# Altium PCB ControllerV2.1.PcbDoc (part 1 of 2)
Units mm, origin at the board's own origin, x right, y up, seen from the top; angles counter-clockwise.
Board outline 52.02 x 50 mm, 4 copper layers (Top, Gnd, Signal, Bottom), stack 1.626 mm thick; 96 components, 87 nets, 385 pads, 241 vias.
Unrouted connection lines stored in the file: 72.
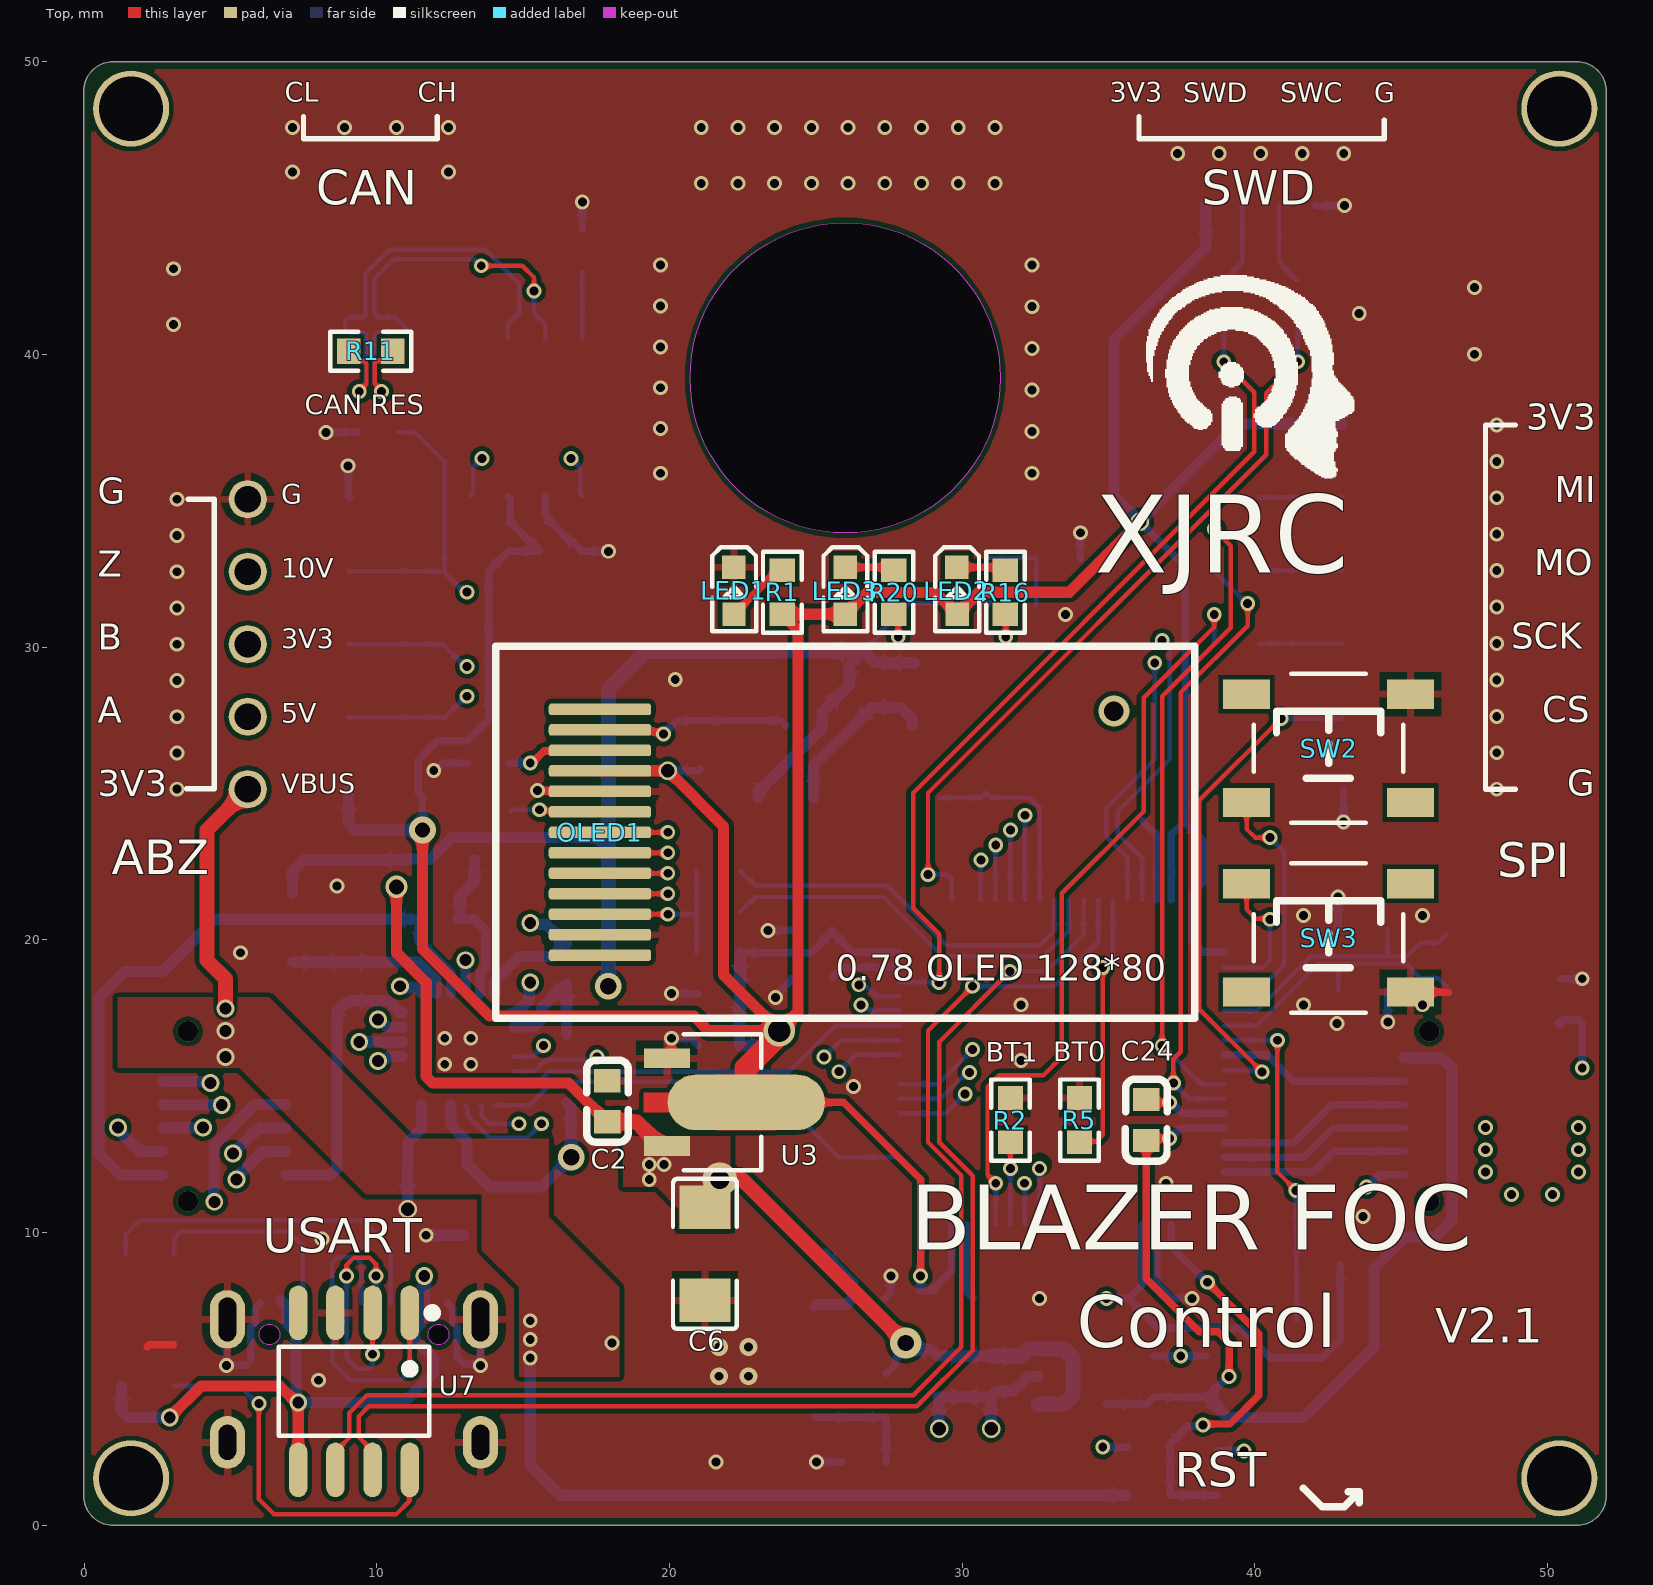
[diagram p0: Top view]
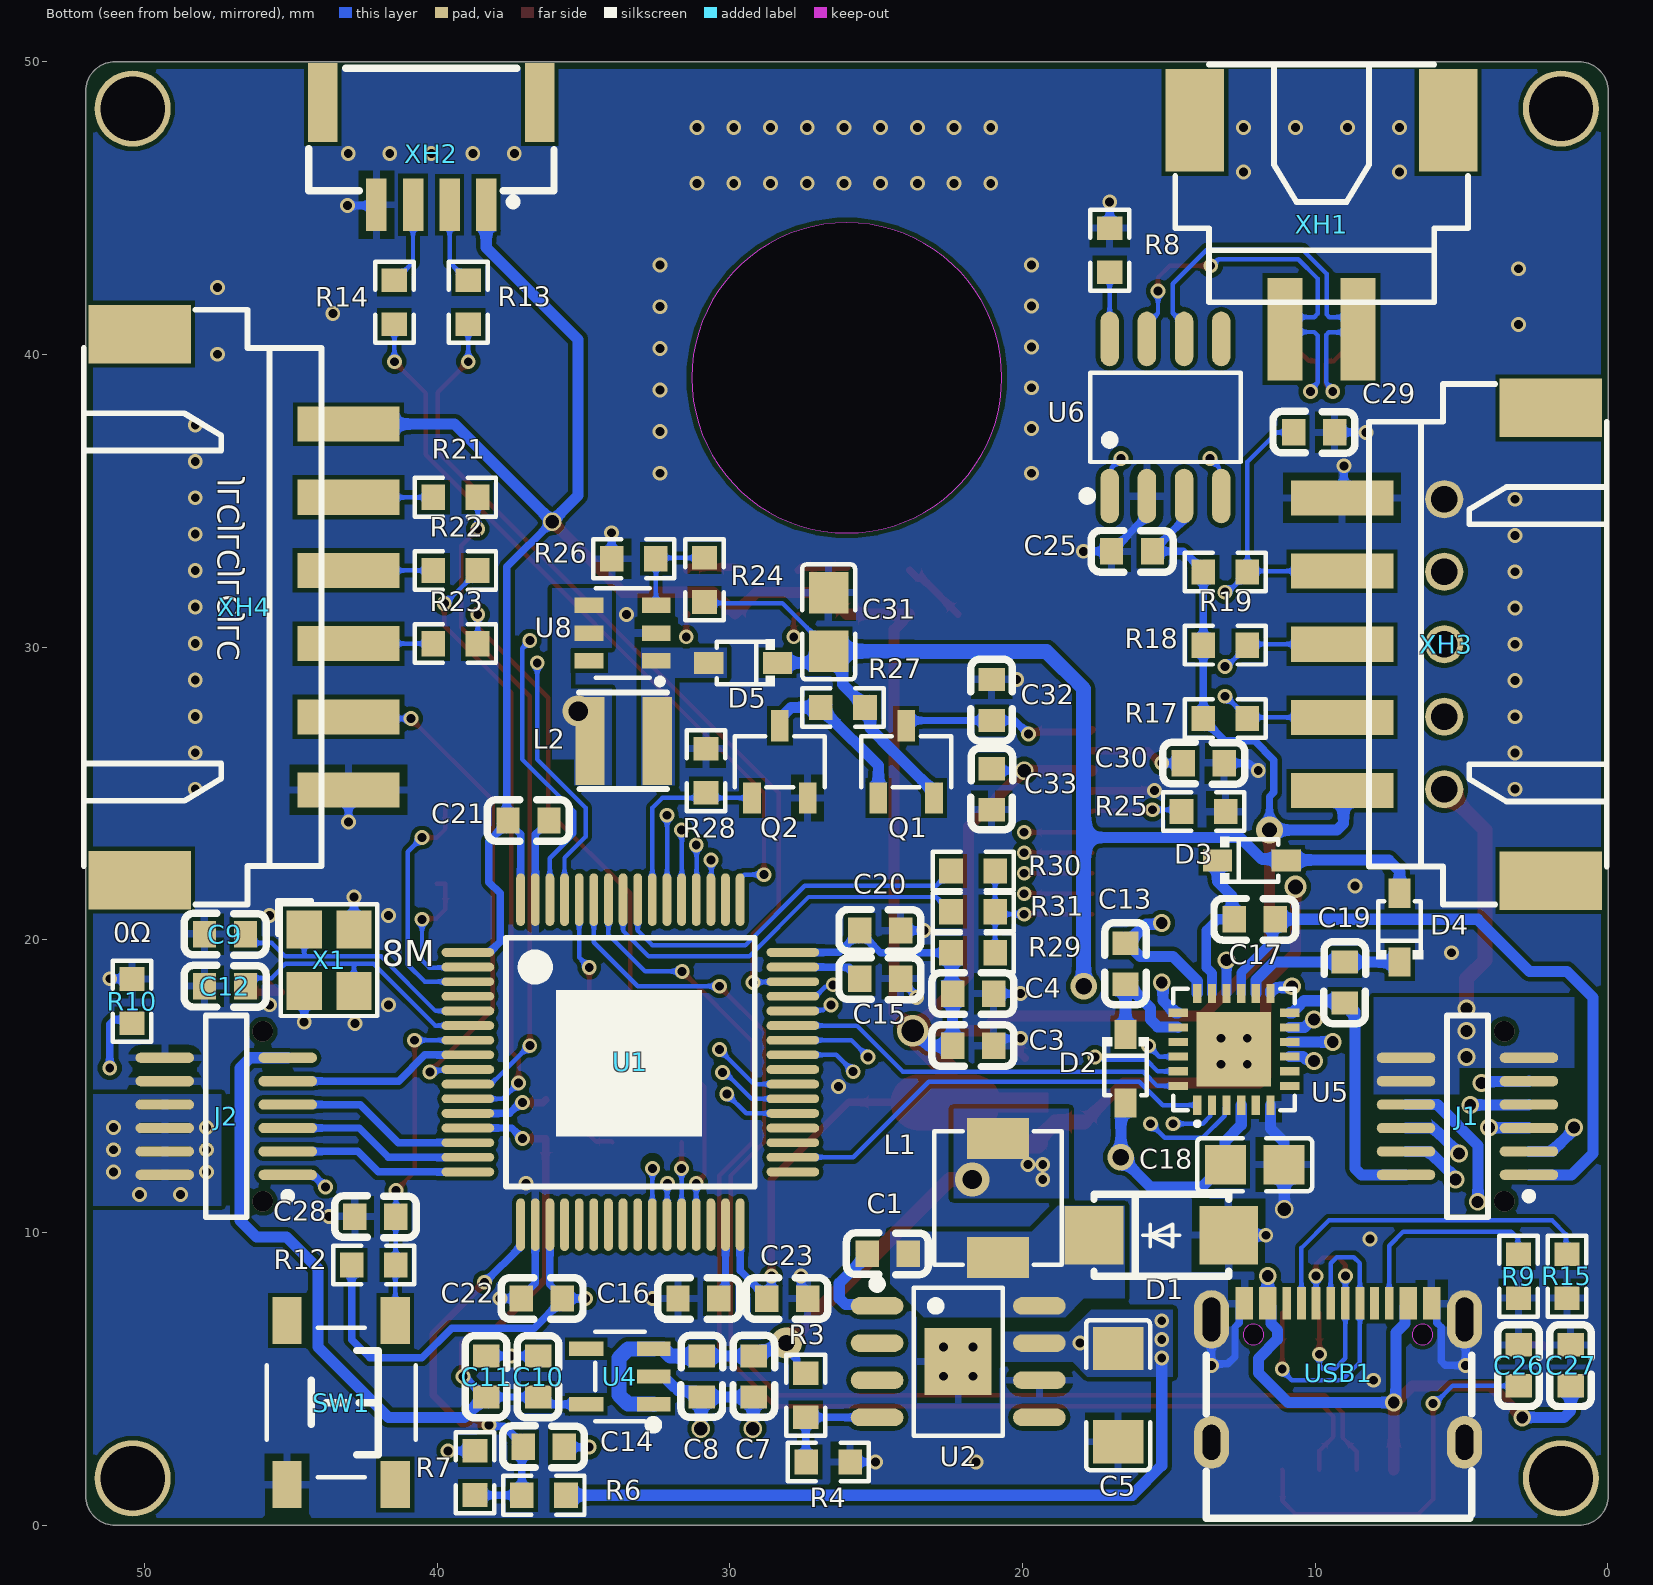
[diagram p1: Bottom view, seen from below]
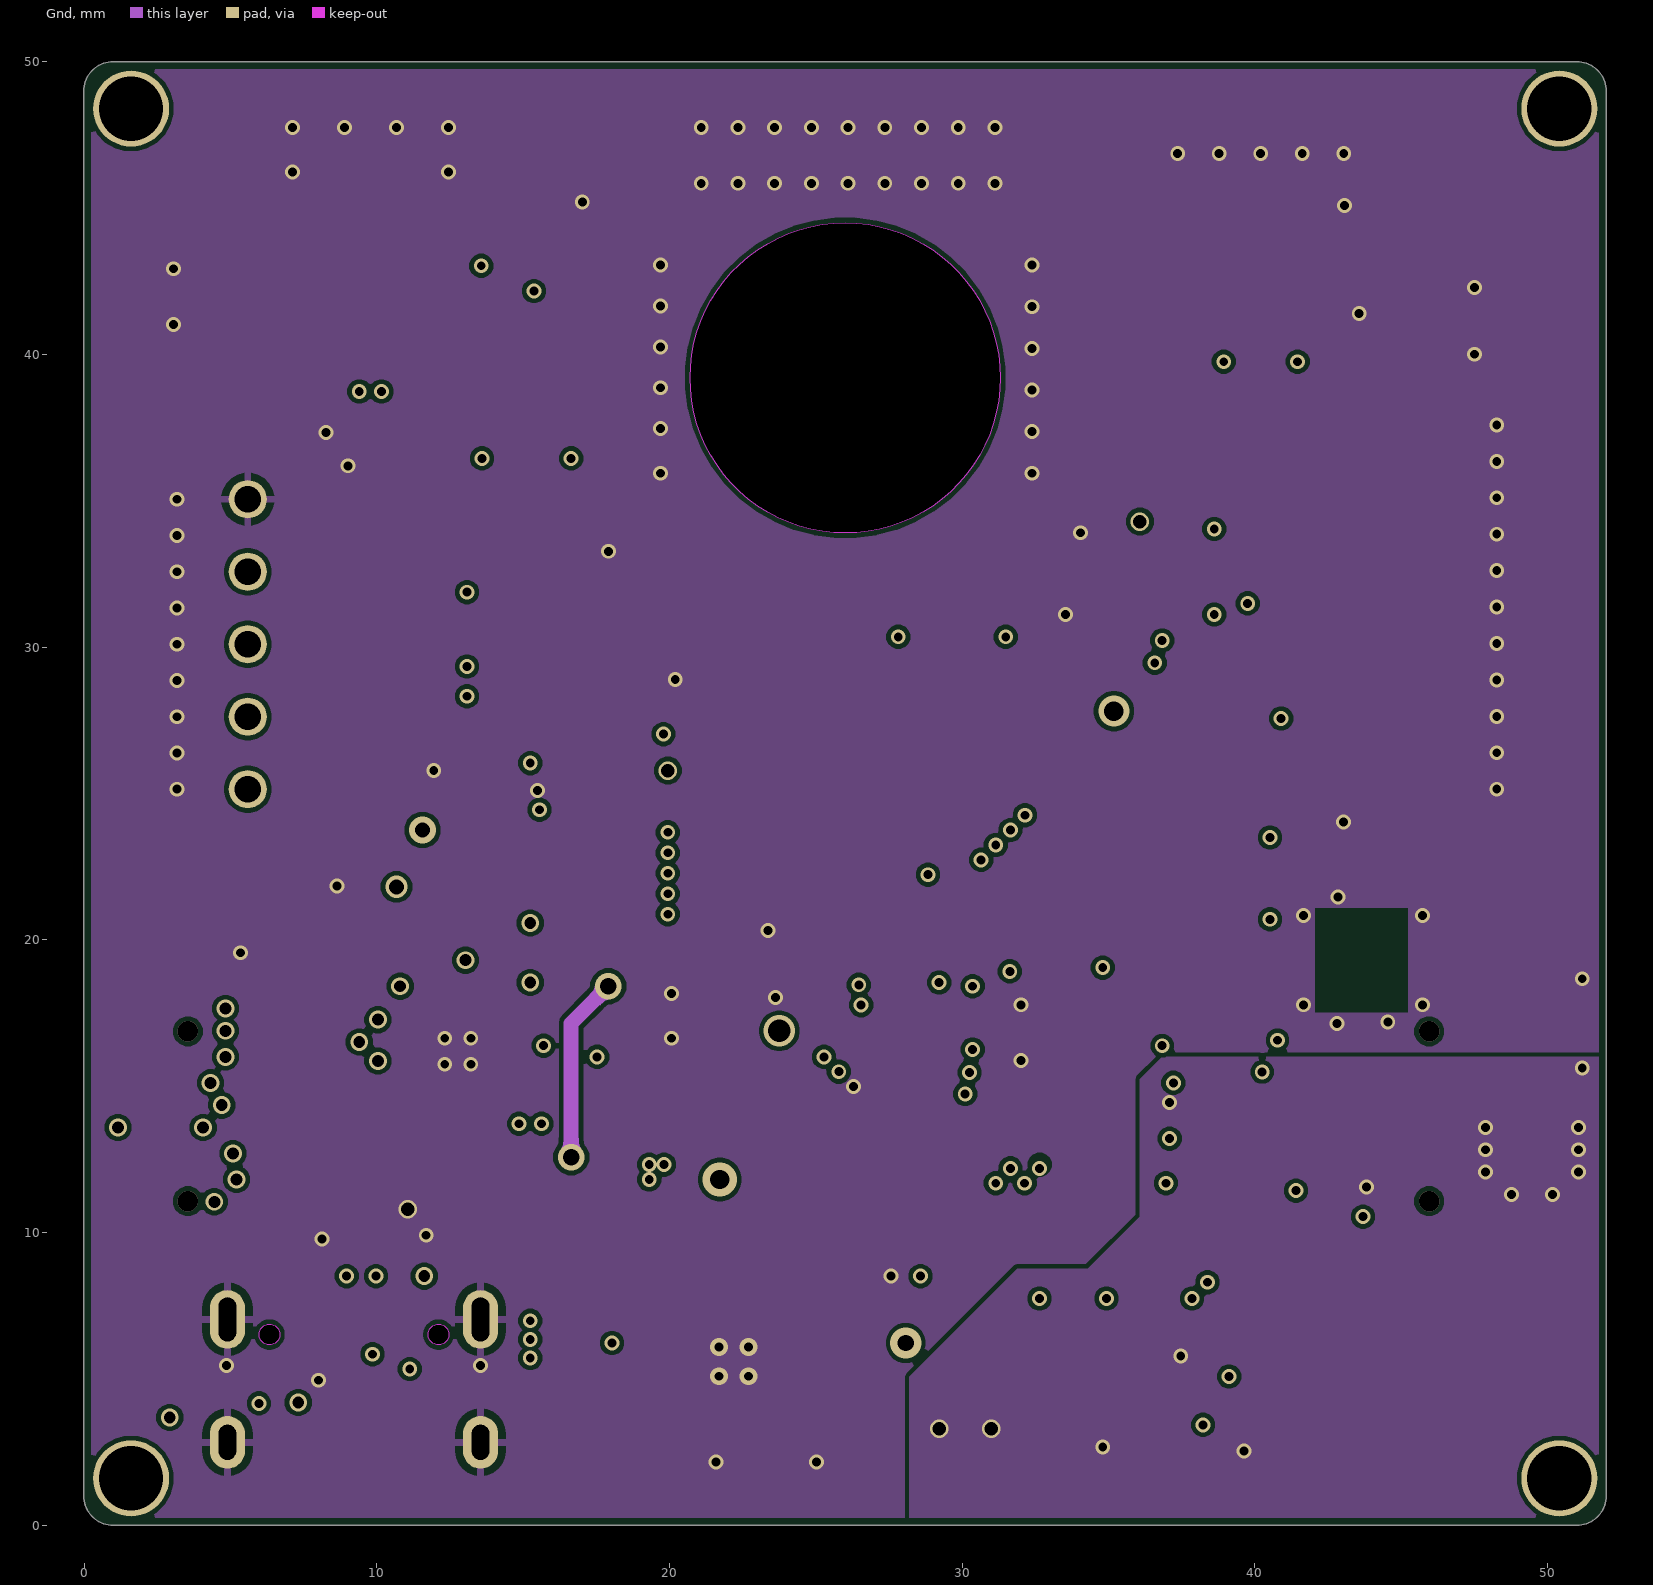
[diagram p2: Gnd]
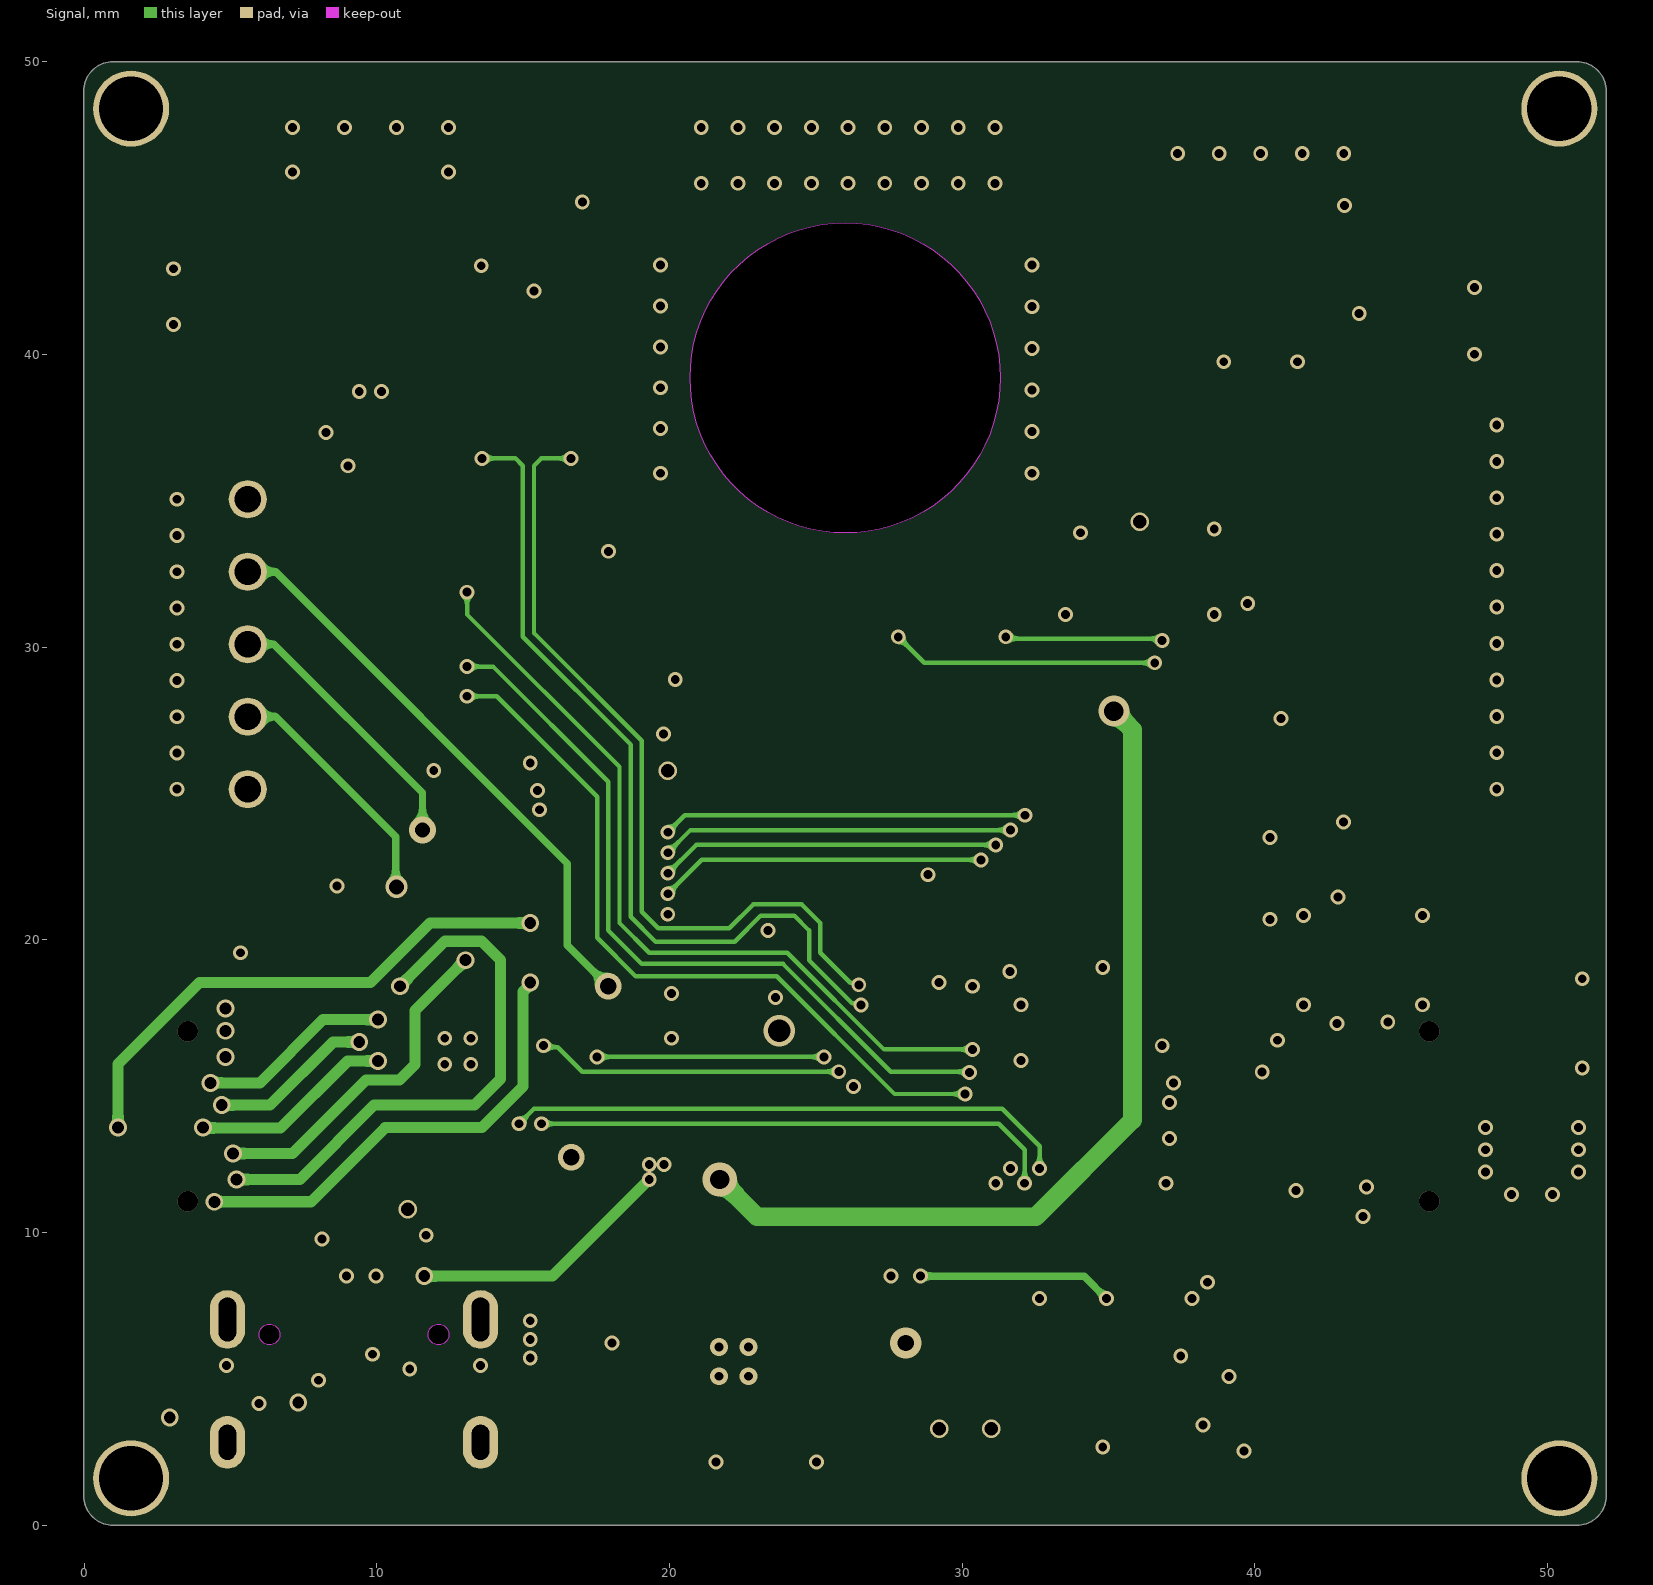
[diagram p3: Signal]
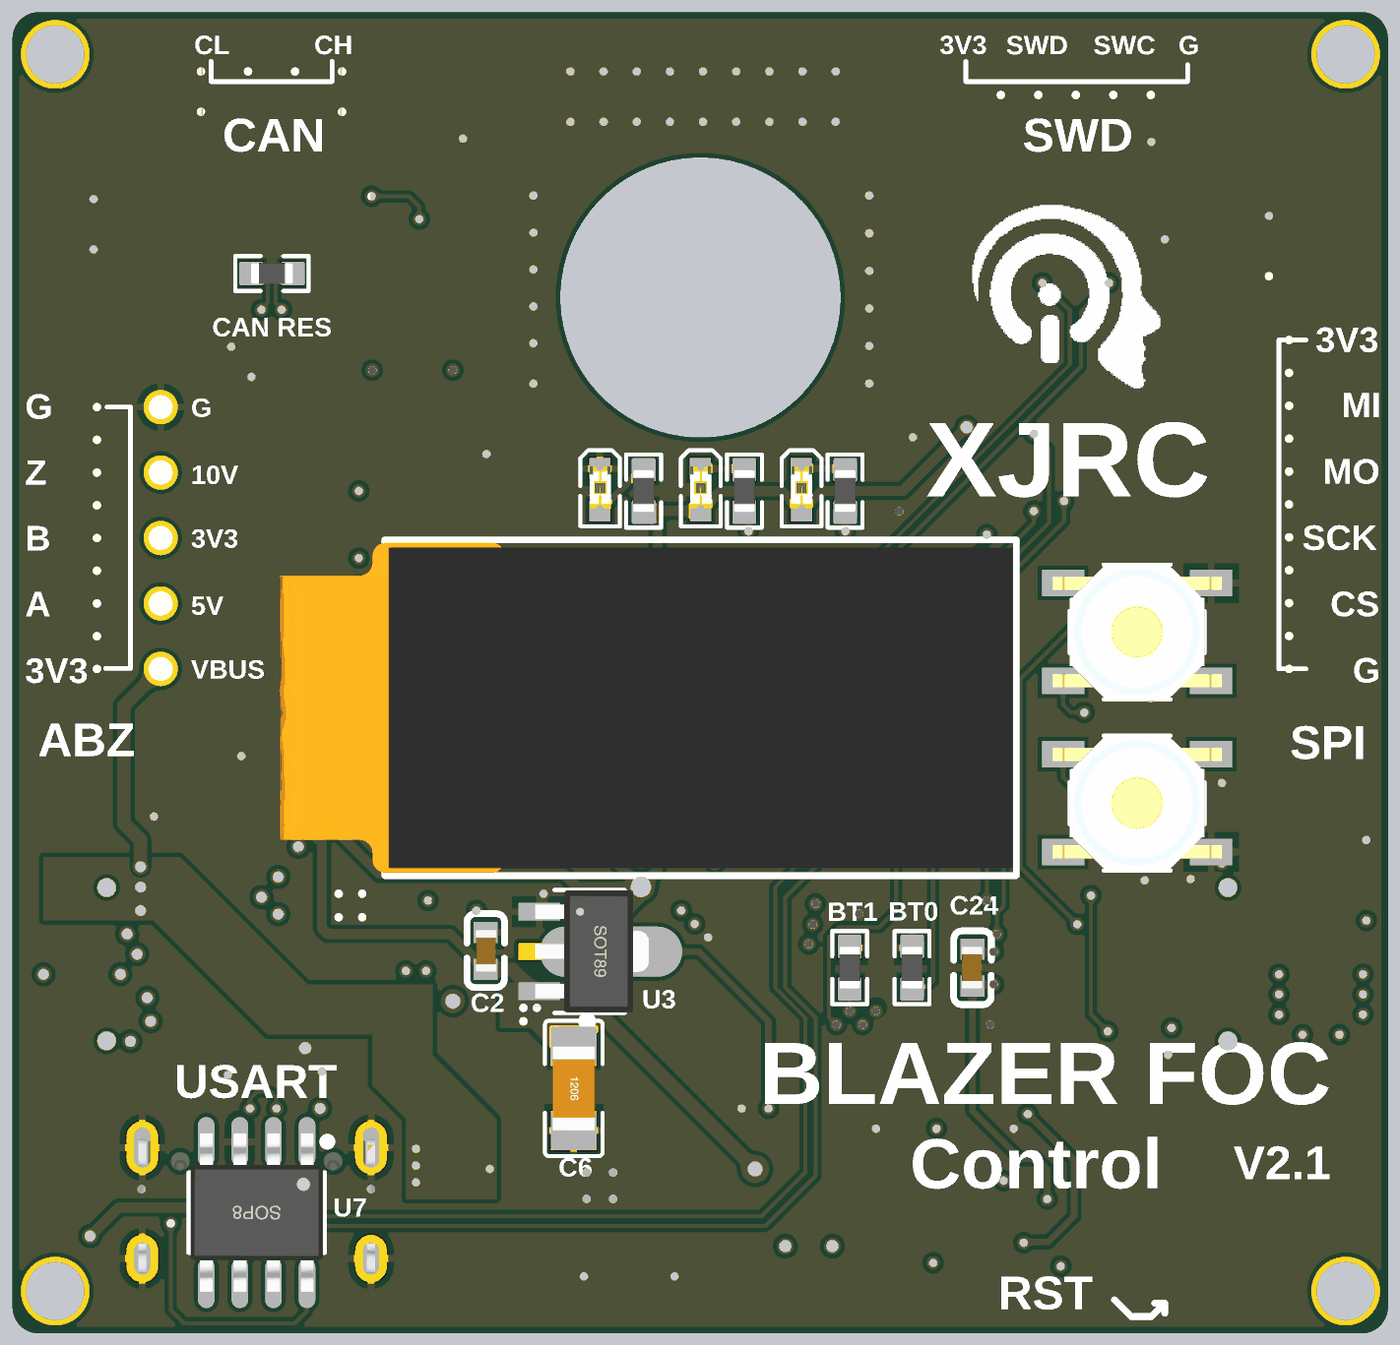
[diagram p5: 3D render of the assembled board from above, using the file's embedded part models]
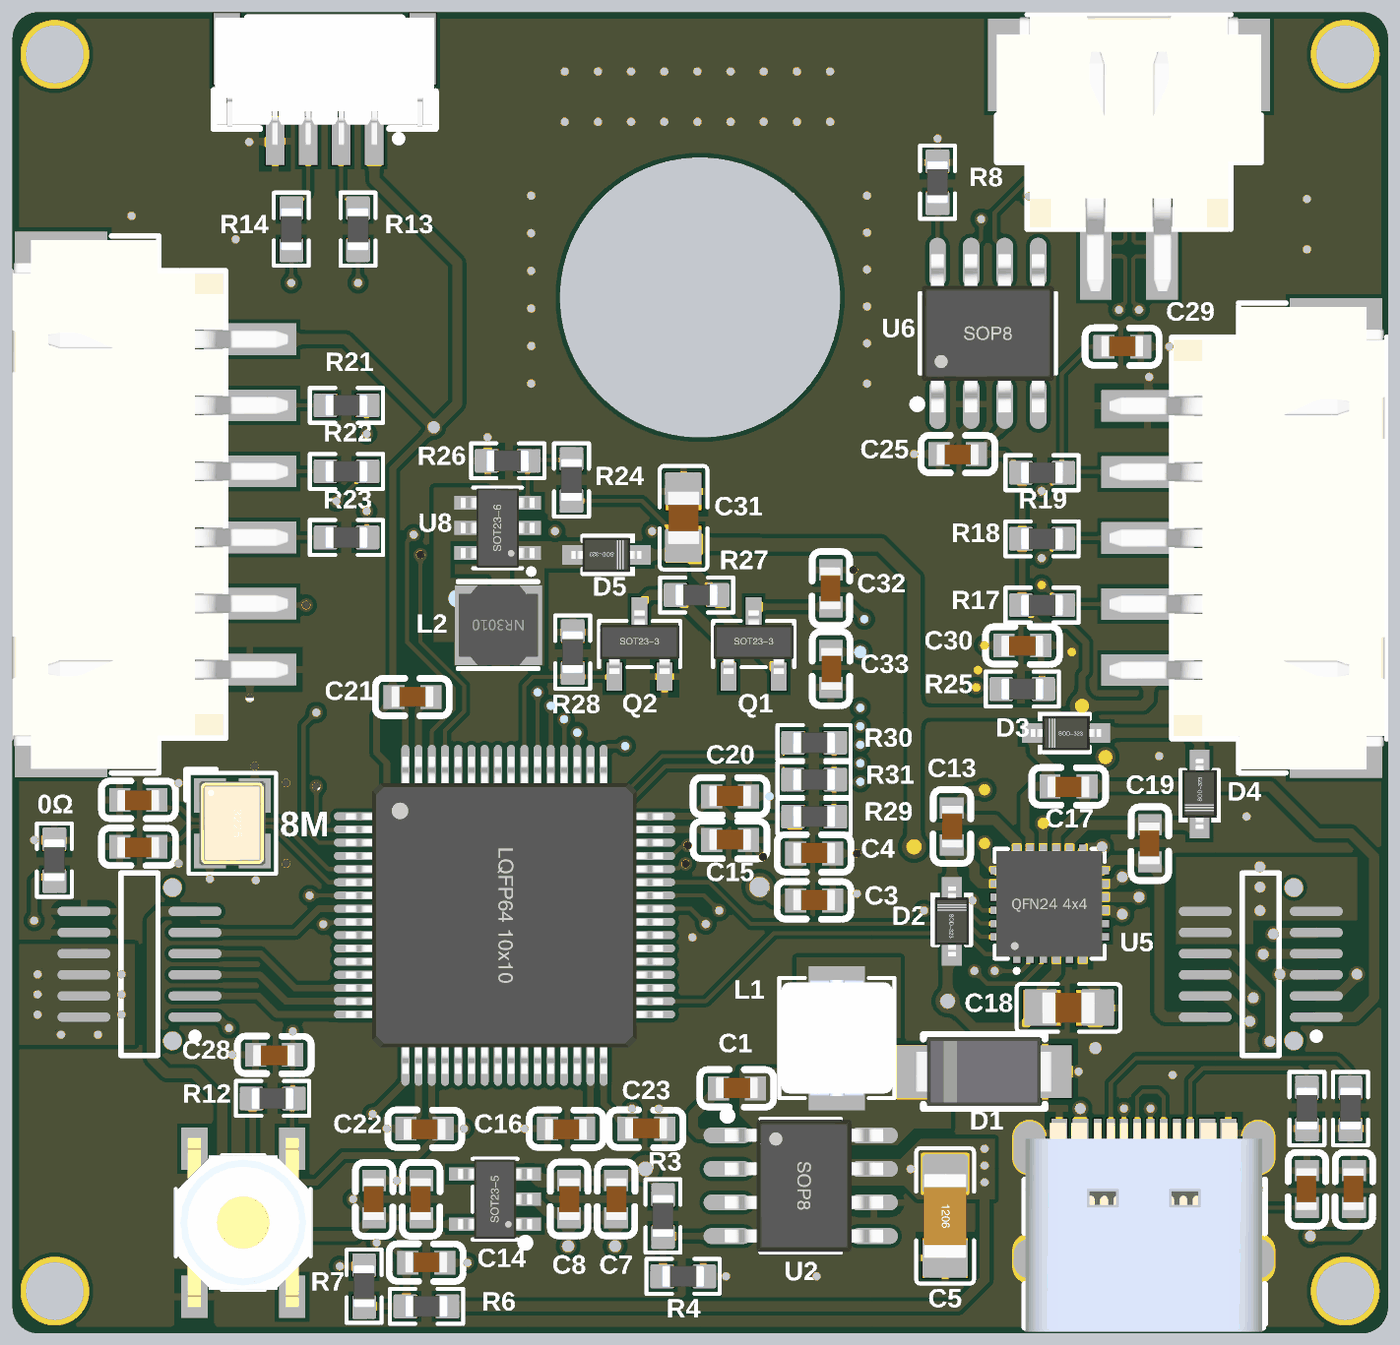
[diagram p6: 3D render of the assembled board from below, using the file's embedded part models]

## Layer stack, top to bottom
Top Solder: solder mask 0.0102, Solder Resist, Dk 3.5
Top: signal copper 0.0356
Dielectric 4: prepreg 0.0711, PP-006, Dk 4.1
Dielectric 2: prepreg 0.0711, PP-006, Dk 4.1
Gnd: signal copper 0.035
Dielectric 1: dielectric 1.2, FR-4, Dk 4.8
Signal: signal copper 0.035
Dielectric 3: prepreg 0.0711, PP-006, Dk 4.1
Dielectric 5: prepreg 0.0711, PP-006, Dk 4.1
Bottom: signal copper 0.0356
Bottom Solder: solder mask 0.0102, Solder Resist, Dk 3.5

## Board outline
-0.016,1 -0.016,49 cw(c0.984,49) 0.984,50 51,50 cw(c51,49) 52,49 52,1 cw(c51,1) 51,0 0.984,0 cw(c0.984,1)
cut-out: 26,33.9 cw(c26,39.2) 20.7,39.2 cw(c26,39.2) 26,44.5 cw(c26,39.2) 31.3,39.2 cw(c26,39.2)
